# Altium PCB novena_evt1_a.PcbDoc (part 4 of 12)
Units mm, origin at the board's own origin, x right, y up, seen from the top; angles counter-clockwise.
Board outline 121 x 150 mm, 10 copper layers (Top, L2-GND, L3, L4, L5-PWR, L6-PWR, L7, L8, L9-GND, Bot), stack 1.621 mm thick; 951 components, 714 nets, 4891 pads, 2105 vias.
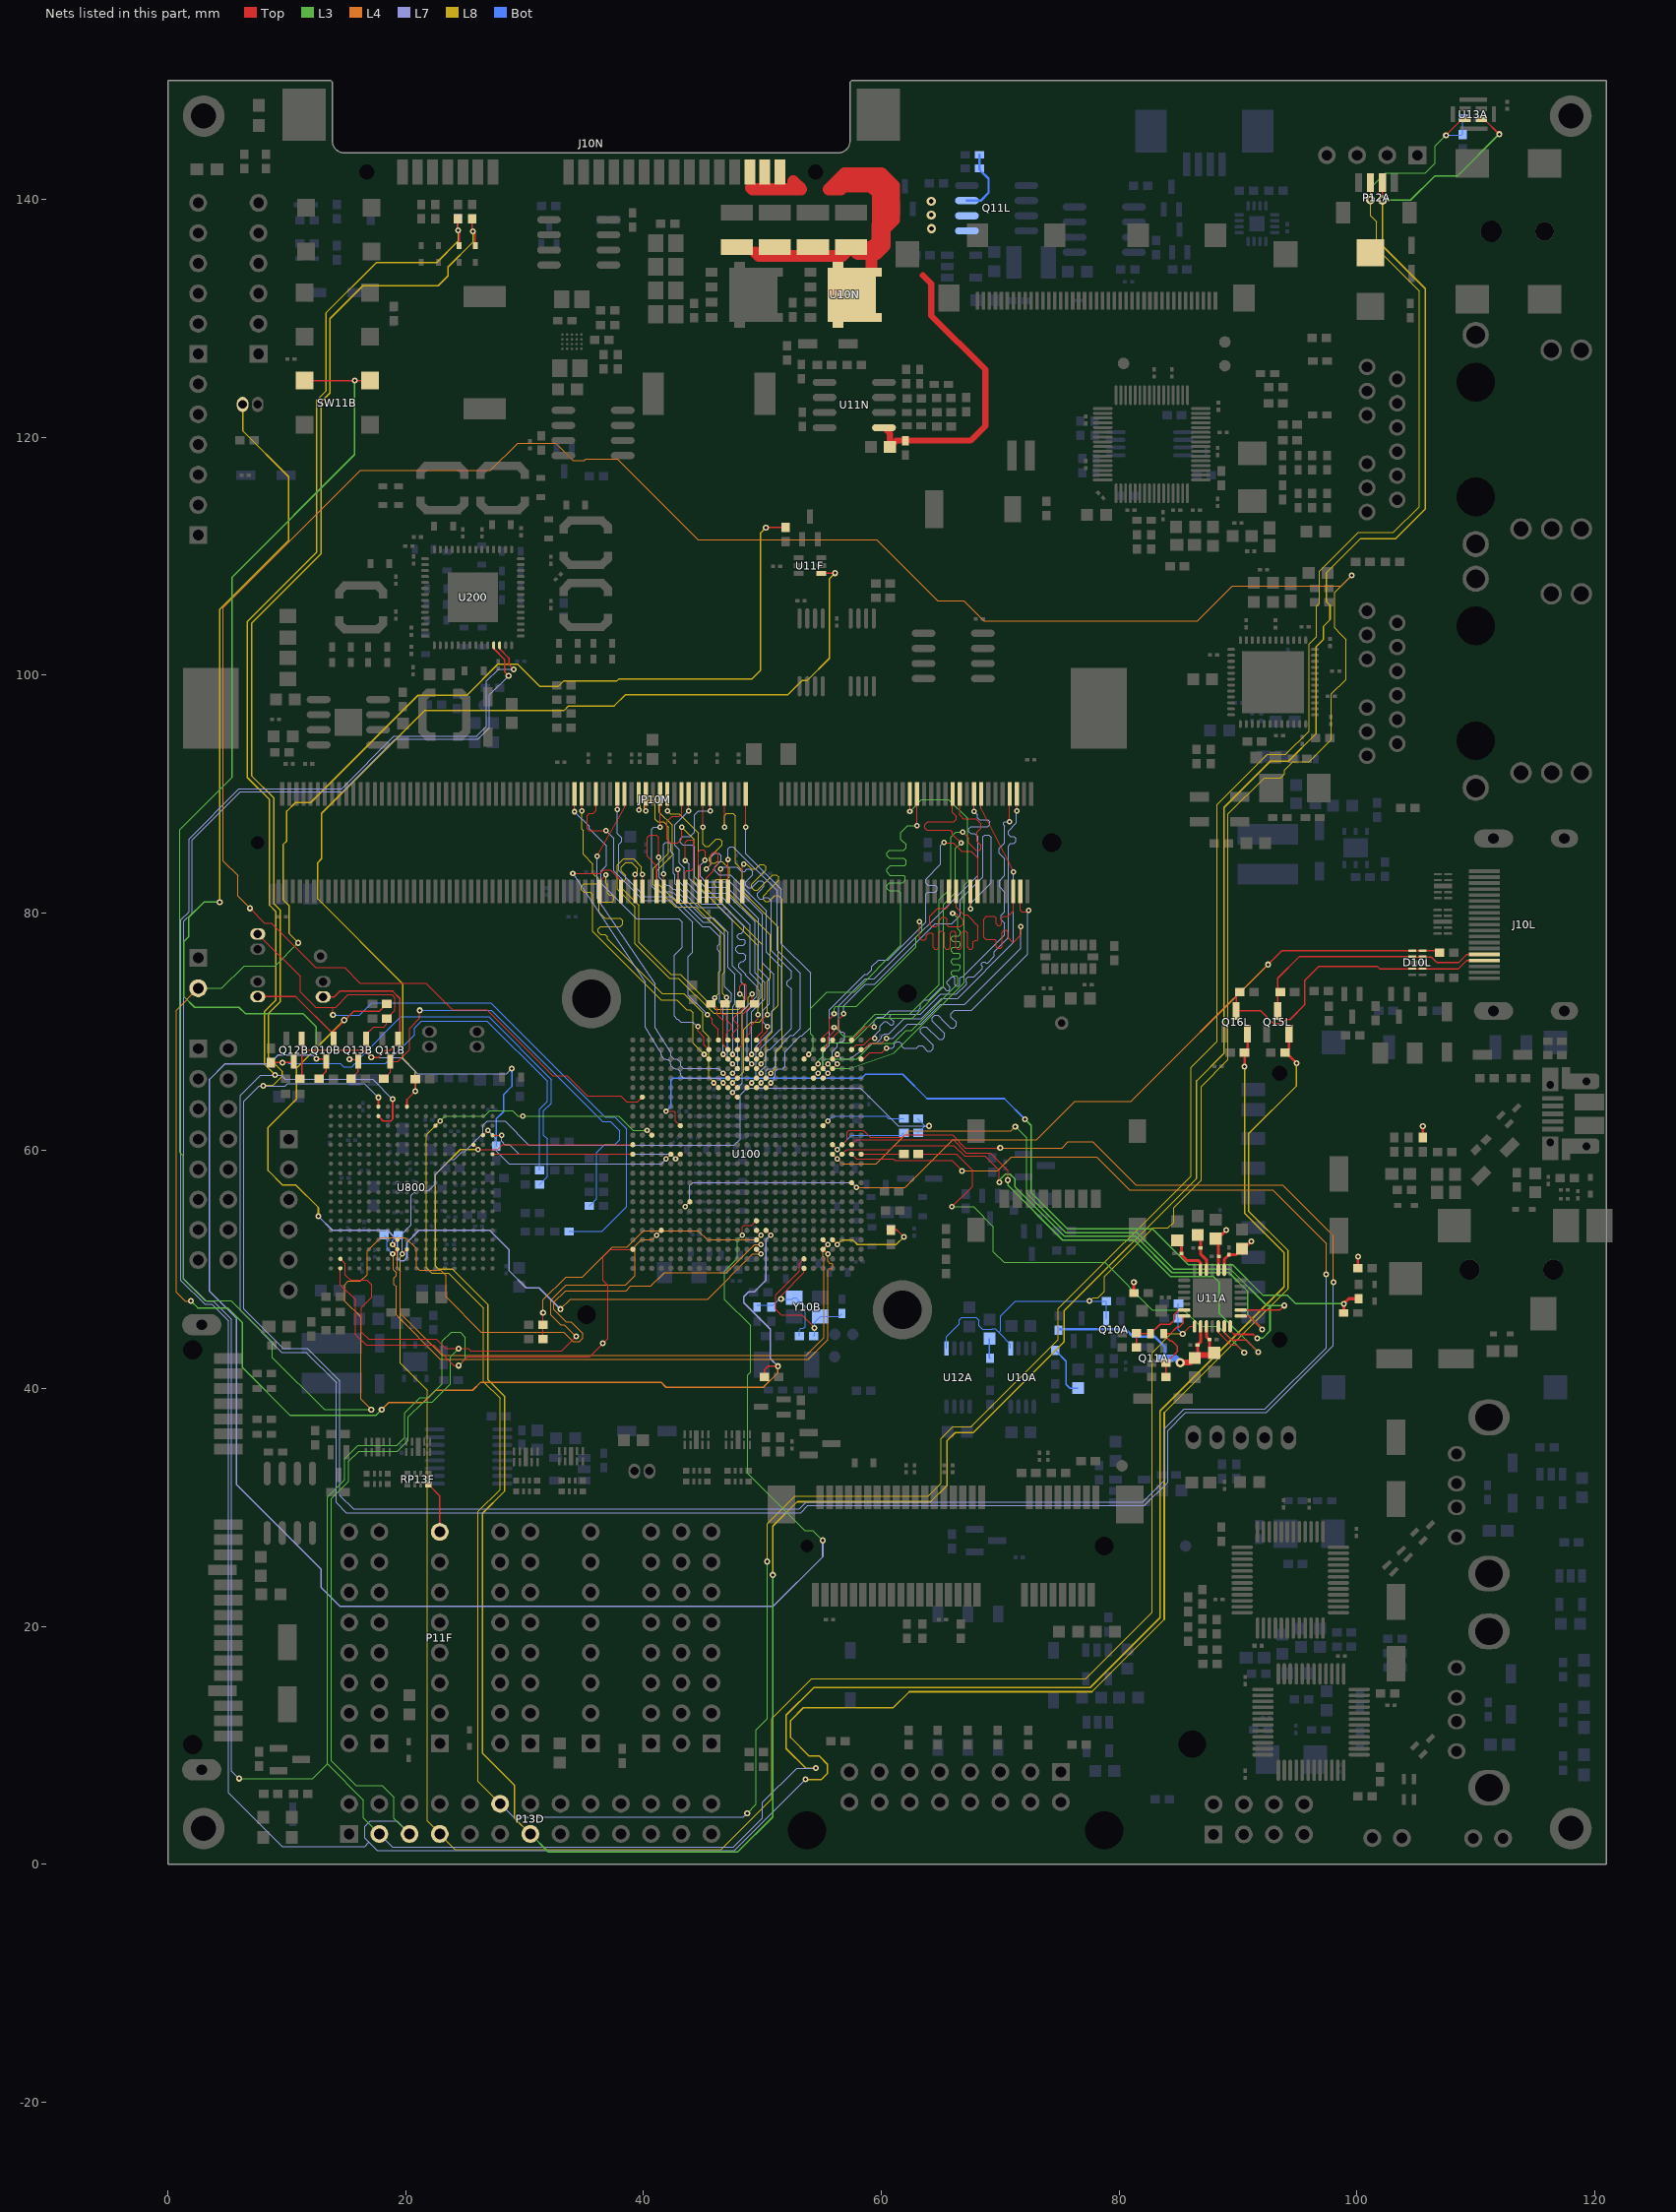
[diagram p12: the nets of this part, all layers, seen from the top]

## Via types
v1: diameter 0.508, hole 0.254, Top to Bot, tented both sides, 940 vias
v2: diameter 0.457, hole 0.203, Top to Bot, tented both sides, 793 vias
v3: diameter 0.762, hole 0.381, Top to Bot, tented both sides, 325 vias
v4: diameter 0.66, hole 0.33, Top to Bot, tented both sides, 23 vias
v5: diameter 0.66, hole 0.33, Top to Bot, tented top, 16 vias
v6: diameter 0.5, hole 0.254, Top to Bot, tented both sides, 8 vias

## Nets (pads, with @x,y where several pads share a name; then routed paths per layer and width w, separated by ;. In a path a pad name is that pad's centre, name@x,y a point inside that pad or via, vN(x,y) a via of type N, cw(c..) or ccw(c..) an arc to the next point about the centre after c; other vN are vias at no path point) (continued)
ANA_IN_X7: P11F.8 RP13F.4 | length 4.4
  Top w0.127: RP13F.4@21.912,31.925 22.86,30.977 P11F.8@22.86,27.94
APOPTOSIS: R24F.1 U11F.1 U800.K1 | length 86.1
  Top w0.127: U800.K1@20.1,63.7 20.1,64.3 v1(20.8,65) R24F.1@20.8,66 ; U11F.1@54.95,108.55 56.1,108.55 v1@56.125,108.575
  L8 w0.127: v1(20.8,65) 20.8,66.7 19.75,67.75 19.75,74.02 12.6,81.17 12.6,84.23 12.925,84.555 12.925,88.355 21.57,97 33.296,97 33.696,97.4 37.53,97.4 38.455,98.325 52.125,98.325 53.325,99.525 53.75,99.525 55.625,101.4 55.625,108.075 v1(56.113,108.563)
AUD6_TFS: U100.N20 U800.A4 | length 17
  Top w0.102: U800.A4@27.3,61.3 v2@27.9,61.3 ; v2(42.7,59.3) U100.N20@43.1,59.7
  L7 w0.102: v2(28.05,61.3) 28.05,60.775 28.325,60.5 28.725,60.5 29.525,59.7 42.3,59.7 v2(42.7,59.3)
AUD6_TXC: U100.N21 U800.B4 | length 18
  Top w0.102: U800.B4@26.5,61.3 v2(26.9,61.7) ; v2(41.9,59.3) U100.N21@42.3,59.7
  L7 w0.102: v2(26.9,61.7) 27.55,61.05 27.55,60.05 28.7,58.9 41.5,58.9 v2(41.9,59.3)
AUD6_TXD: U100.N25 U800.A6 | length 11.8
  Top w0.102: U800.A6@27.3,59.7 U100.N25@39.1,59.7
AUD_CLK: R10L.2 U11A.5 | length 43.2
  Top w0.096: R10L.2@63.1,59.7 66.325,59.7 67.675,58.35 67.675,57 v2(65.95,55.275) ; U11A.5@88.35,45.225 88.35,44.75 89.425,43.675 89.875,43.675 v1(90.525,43.025)
  L3 w0.096: v2(65.95,55.275) 67.75,55.275 69.425,53.6 69.425,51.5 70.325,50.6 78.8,50.6 82.8,46.6 85.45,46.6 86.825,45.225 88.325,45.225 v1(90.525,43.025)
AUD_CLK_T: R10L.1 U100.N1 | length 3.6
  Top w0.102: U100.N1@58.3,59.7 R10L.1@61.9,59.7
AUD_DIN: U11A.8 U100.N3 | length 47.1
  Top w0.102: U100.N3@56.7,59.7 57.1,60.1 60.725,60.1 61.05,60.425 66.125,60.425 67,59.55 68.725,59.55 69.925,58.35 v1(69.925,57.35)
  Top w0.127: U11A.8@90.225,46.1 90.925,46.1 v1(92.05,44.975)
  L3 w0.127: v1(69.925,57.35) 69.925,57.525 70.425,58.025 70.825,58.025 71.25,57.6 71.25,56.941 75.391,52.8 81.401,52.8 84.451,49.75 89.25,49.75 90.8,48.2 90.8,46.225 v1(92.05,44.975)
AUD_DOUT: U11A.6 U100.P2 | length 48.1
  Top w0.102: U100.P2@57.5,60.5 57.9,60.9 66.05,60.9 67.15,59.8 69.175,59.8 70.65,58.325 v1(70.65,57.525)
  Top w0.127: U11A.6@88.85,45.225 88.85,44.7 89.475,44.075 90.675,44.075 v1(91.7,43.05)
  L3 w0.127: v1(70.65,57.525) 70.65,57.081 75.256,52.475 81.266,52.475 84.316,49.425 87.925,49.425 88.055,49.295 88.4,48.95 88.4,46.35 v1(91.7,43.05)
AUD_HP_IN: C34A.2 R16A.2 U100.T20 | length 75.2
  Top w0.102: v2(41.9,63.3) 42.575,63.3 42.7,63.175 42.7,62.5 U100.T20@43.1,62.1
  Top w0.254: C34A.2@98.9,46.35 v1(98.9,47.125) 99.325,47.55 R16A.2@100.15,47.55
  L3 w0.127: v1(72.1,62.625) 72.6,62.125 72.6,56.475 75.65,53.425 82.8,53.425 85.825,50.4 89.55,50.4 92.125,47.825 94.175,47.825 94.875,47.125 v1(98.9,47.125)
  Bot w0.127: v2(41.9,63.3) 42.294,63.694 42.294,64.344 42.306,64.356 42.306,65.931 42.475,66.1 58.35,66.1 58.675,66.425 61.8,66.425 63.85,64.375 70.35,64.375 v1(72.1,62.625)
AUD_I2C3_SCL: C41A.2 R10B.1 R26A.1 U11A.28 | length 7.3
  Top w0.127: R10B.1@83.95,40.95 R26A.1@83.95,42.15 84.9,43.1 84.9,43.55 84.45,44 84.275,44 83.75,44.525 C41A.2@83.75,44.6 84.3,44.6 84.85,45.15 85.05,45.15 85.375,45.475 85.375,46 U11A.28@85.475,46.1
AUD_I2C3_SDA: C40A.2 R11B.1 R27A.1 U11A.27 | length 6.3
  Top w0.127: R11B.1@81.45,43.45 R27A.1@81.45,44.65 81.5,44.6 C40A.2@82.65,44.6 83.45,45.4 84.275,45.4 84.7,45.825 84.7,46.275 85.025,46.6 U11A.27@85.475,46.6
AUD_LRCLK: U11A.7 U11A.9 U100.N4 | length 58.8
  Top w0.102: U100.N4@55.9,59.7 v2(56.3,59.3)
  Top w0.127: U11A.7@89.35,45.225 89.35,44.875 89.675,44.55 91.3,44.55 v1(91.625,44.225) ; U11A.9@90.225,46.6 93.525,46.6 v1(93.9,46.975)
  L3 w0.102: v1(71.275,62.025) 72.225,61.075 72.225,56.39 72.97,55.645
  L3 w0.127: 72.97,55.645 75.515,53.1 81.525,53.1 84.575,50.05 89.35,50.05 92.425,46.975 92.7,46.975 ; v1(91.625,44.225) 92.075,44.225 92.7,44.85 92.7,46.975 ; v1(93.9,46.975) 92.7,46.975
  L4 w0.102: v2(56.3,59.3) 56.7,58.9 59.575,58.9 62.325,61.65 70.9,61.65 v1(71.275,62.025)
AUD_MCLK: P13D.7 R16S.1 R26L.2 R29A.1 R32A.2 U11A.1 U800.K16 | length 212.3
  Top w0.096: v2@19.725,51.325 U800.K16@20.1,51.7 ; v1(85.35,44.6) 85.975,45.225 U11A.1@86.35,45.225
  L7 w0.096: v2(19.7,51.3) 19.7,53.025 20.45,53.775 20.45,56.225 20.9,56.675 21.95,56.675 22.478,57.203 22.478,57.857 22.475,57.859 22.475,58 23.75,59.275 24.1,59.275 24.75,59.925 24.975,59.925 26.5,61.45 26.5,62.125 26.85,62.475 27.865,62.475 27.868,62.478 28.353,62.478 30.353,60.478 47.597,60.478 47.625,60.45 48.15,60.975 48.15,64.7 48.728,65.278 58.222,65.278 61.425,62.075 v1(64.025,62.075)
  L8 w0.096: v2@19.725,51.325 19.725,51.247 19.53,51.052 19.53,42.145 21.828,39.847 21.828,3.622 22.256,3.194 P13D.7@22.675,2.775 ; P13D.7@23.175,2.2 24.15,1.225 46.525,1.225 50.8,5.5 50.8,12.25 54.15,15.6 77.2,15.6 82.775,21.175 82.775,43 84.375,44.6 v1(85.35,44.6)
  Bot w0.096: R26L.2@63.1,61.5 63.675,62.075 ; R16S.1@63.1,62.7 63.1,62.65 63.675,62.075 ; v1(64.025,62.075) 63.675,62.075 ; R29A.1@85,47.15 85,44.95 v1(85.35,44.6)
AUD_MCLK_T: R16S.2 U100.T5 | length 7.2
  Top w0.096: U100.T5@55.1,62.1 v2(55.5,62.5)
  Bot w0.096: v2(55.5,62.5) 55.922,62.922 56.457,62.922 56.46,62.925 56.941,62.925 56.943,62.922 60.378,62.922 60.6,62.7 R16S.2@61.9,62.7
AUD_MCLK_T_SDL: R26L.1 U100.P4 | length 6.7
  Top w0.096: U100.P4@55.9,60.5 v2(56.3,60.1)
  Bot w0.096: v2(56.3,60.1) 57.5,61.3 61.7,61.3 R26L.1@61.9,61.5
AUD_MIC_CLK: P12A.3 P13D.12 R31A.1 R34A.2 U13A.3 U100.R23 U800.G3 | length 290.7
  Top w0.096: U800.G3@22.5,62.1 v2(22.9,62.5) ; v2(40.3,61.7) U100.R23@40.7,61.3 ; v3(101.15,139.95) P12A.3@101.15,141.4 ; v1(107.5,145.375) U13A.3@108.825,146.7
  L3 w0.096: v2(22.9,62.5) 23.3,62.9 26.625,62.9 27.075,63.35 28.975,63.35 29.425,62.9 v2(29.85,62.9) 37.903,62.9 39.103,61.7 v2(40.3,61.7) ; v1(48.725,4.275) 49.475,5.025 49.475,11.3 50.4,12.225 v1(50.4,25.45) ; v3(101.15,139.95) 101.15,140.95 102.425,142.225 105.775,142.225 106.6,143.05 106.6,144.475 v1(107.5,145.375)
  L7 w0.096: P13D.12@27.94,5.08 29.07,3.95 48.4,3.95 v1(48.725,4.275)
  L8 w0.096: v2(22.9,62.5) 21.722,61.322 21.722,50.175 22.185,49.712 23.588,49.712 26.55,46.75 26.55,40.57 27.925,39.195 27.925,31.505 26.075,29.655 26.075,6.945 P13D.12@27.94,5.08 ; v1(50.4,25.45) 50.4,28.622 52.728,30.95 63.953,30.95 65.05,32.047 65.05,35.797 66.028,36.775 67.553,36.775 74.9,44.122 74.9,46.725 86.05,57.875 86.05,66.988 88.25,69.188 88.25,89.088 92.487,93.325 94.012,93.325 95.975,95.288 95.975,102.588 96.6,103.213 96.6,105.775 96.85,106.025 96.85,108.707 100.118,111.975 103.068,111.975 105.25,114.157 105.25,132.268 101.65,135.868 101.65,138.125 101.15,138.625 v3(101.15,139.95)
  Bot w0.096: v1(107.5,145.375) R34A.2@108.825,145.375 ; R34A.2@108.9,145.45 R31A.1@108.9,146.775
AUD_MIC_DAT: P12A.2 P13D.13 U13A.4 U100.P25 U800.C5 | length 287.6
  Top w0.102: U800.C5@25.7,60.5 v2(26.1,60.1) 27.75,60.1 28.15,60.5 U100.P25@39.1,60.5
  Top w0.127: v3(102.15,139.925) P12A.2@102.15,141.4 ; U13A.4@110.475,146.7 110.75,146.7 v1(111.975,145.475)
  L3 w0.127: P13D.13@30.48,2.54 31.995,1.025 47.925,1.025 50.875,3.975 v1(50.875,24.325) ; v3(102.15,139.925) 104.525,139.925 106.55,141.95 108.45,141.95 v1(111.975,145.475)
  L8 w0.127: v2(26.1,60.1) 24.6,60.1 22.5,58 22.5,50.275 22.725,50.05 23.9,50.05 26.925,47.025 26.925,40.725 28.3,39.35 28.3,31.35 26.45,29.5 26.45,9.325 29.15,6.625 29.15,3.87 P13D.13@30.48,2.54 ; v1(50.875,24.325) 50.875,28.425 52.925,30.475 64.15,30.475 65.525,31.85 65.525,35.6 66.225,36.3 67.75,36.3 75.375,43.925 75.375,46.528 86.525,57.678 86.525,65.875 88.825,68.175 88.825,88.85 92.725,92.75 94.25,92.75 96.55,95.05 96.55,102.35 97.175,102.975 97.175,104.075 97.75,104.65 97.75,105.85 97.425,106.175 97.425,108.575 100.325,111.475 103.275,111.475 105.75,113.95 105.75,132.475 102.15,136.075 v3(102.15,139.925)
AUD_P3.3V: C14A.2 C15A.2 C20A.2 C21A.2 C22A.2 C23A.1 C24A.2 C25A.2 Q11A.3 R11A.2 R15A.2 R21A.1 R25A.2 U11A.2 U11A.3 U11A.16 U11A.17 | length 30.7
  Top w0.203: R15A.2@100.1,50.1 v1(100.1,51.075) ; R25A.2@105.55,61.1 v1(105.55,62.05)
  Top w0.254: R11A.2@81.25,48.025 v1(81.25,48.95) ; C23A.1@86.6,42.8 C14A.2@86.6,43.65 86.85,43.9 U11A.2@86.85,45.225 ; U11A.3@87.35,45.225 87.35,44.35 C22A.2@87.6,44.1 87.6,43.4 C15A.2@88,43 ; C21A.2@88.125,52.475 88.35,52.25 U11A.17@88.35,49.975 ; C21A.2@88.125,52.6 88.3,52.6 v1(89.025,53.325) ; U11A.16@88.85,49.975 88.85,50.85 C20A.2@89.25,51.25 89.85,51.25 C25A.2@90.35,51.75 90.5,51.75 v1(91.125,52.375)
  Top w0.508: v3(85.15,42.175) 85.975,42.175 C23A.1@86.35,42.55 86.6,42.8 87.8,42.8 C15A.2@88,43
  Bot w0.203: R21A.1@74.9,44.9 75,45 80.55,45 81.2,44.35 83,44.35 83.85,43.5 Q11A.3@83.85,42.55
  Bot w0.508: Q11A.3@83.85,42.55 84.775,42.55 v3(85.15,42.175)
AUD_PWRON: Q10A.1 R19A.1 U10A.1 U12A.1 U100.W24 | length 269.4
  Top w0.102: v1(6.9,80.375) 8.133,79.142 8.683,79.142 12.425,75.4 14.85,75.4 16.15,74.1 21.7,74.1 23.95,71.85 26.816,71.85 32.366,66.3 33.591,66.3 35.291,64.6 38.066,64.6 38.566,64.1 39.5,64.1 U100.W24@39.9,64.5
  L4 w0.102: v1(6.9,80.375) 5.875,81.4 5.875,83.125 4.65,84.35 4.65,105.675 16.175,117.2 27.125,117.2 29.425,119.5 32.625,119.5 34.086,118.039 35.013,118.039 35.15,118.175 37.8,118.175 44.6,111.375 59.6,111.375 64.725,106.25 66.95,106.25 68.65,104.55 86.575,104.55 89.525,107.5 98.7,107.5 v1(99.575,108.375)
  L8 w0.102: v1(77.5,47.35) 77.8,47.65 78.25,47.65 78.775,48.175 78.775,49.4 82.875,53.5 84.125,53.5 84.6,53.975 84.6,55.2 86.925,57.525 86.925,65.4 89.175,67.65 89.175,88.3 92.225,91.35 93.575,91.35 93.9,91.675 93.9,92 94.625,92.725 96,92.725 97.85,94.575 97.85,98.4 99.075,99.625 99.075,102.975 98.6,103.45 98.6,103.475 98.125,103.95 98.125,106.925 v1(99.575,108.375) v1@99.575,108.4
  Bot w0.102: U12A.1@65.483,43.374 65.483,44.358 66.575,45.45 66.575,45.775 66.775,45.975 67.975,45.975 68.225,45.725 68.225,45.275 68.5,45 69.325,45 69.35,45.025 69.575,45.025 69.9,44.7 ; U10A.1@70.883,43.374 70.883,43.717 69.9,44.7 ; Q10A.1@78.9,45.9 78.95,45.95 R19A.1@78.95,47.35 71.3,47.35 70.05,46.1 70.05,44.85 69.9,44.7
AUD_VMID: C12A.2 C13A.1 U11A.20 | length 3.8
  Top w0.254: C13A.1@84.9,52.45 85.25,52.1 C12A.2@85.25,51.35 85.25,51.225 85.7,50.775 86.65,50.775 86.85,50.575 U11A.20@86.85,49.975
AUD_VREF: C16A.2 C17A.1 U11A.19 | length 3.2
  Top w0.254: C17A.1@86.6,52.9 86.85,52.65 C16A.2@86.85,51.8 86.85,51.325 87.35,50.825 U11A.19@87.35,49.975
BATT_NRST: D16N.1 R22N.2 U100.N2 U800.N1 | length 283.9
  Top w0.102: U100.N2@57.5,59.7 57.9,59.3 61,59.3 61.125,59.175 65.925,59.175 v1(66.8,58.3)
  Top w0.127: U800.N1@17.7,63.7 v1(17.7,64.475) ; R22N.2@25.6,138.35 25.6,137.4 25.85,137.15 D16N.1@25.85,136.1
  L4 w0.102: v1(66.8,58.3) 69.775,58.3 70.95,59.475 78.1,59.475 80.875,56.7 92.925,56.7 97.425,52.2 v1(97.425,49.6)
  L7 w0.102: v1(17.7,64.475) 16.525,65.65 10.05,65.65 9.85,65.45 v1(8.025,65.45) 7.675,65.45 6.375,64.15 6.375,46.672 9.697,43.35 11.721,43.35 14.45,40.621 14.45,31 15.591,29.859 53.096,29.859 53.687,30.45 81.987,30.45 83.791,32.254 83.791,36.571 85.495,38.275 92.27,38.275 97.425,43.43 v1(97.425,49.6)
  L8 w0.127: v1(8.025,65.45) 8.8,65.45 9.625,66.275 9.625,66.65 8.45,67.825 8.45,71.541 9.425,72.516 9.425,80.25 8.9,80.775 8.9,89.659 7.025,91.534 7.025,104.34 12.875,110.19 12.875,122.964 13.625,123.714 13.625,129.95 16.4,132.725 22.725,132.725 23.55,133.55 23.55,134.3 25.65,136.4 v1(25.65,137.3)
BATT_PWR: C11N.1 C12N.1 C14N.1 C15N.1 C16N.1 C17N.1 C19L.1 D10N.2 J10N.1 J10N.2 J10N.3 Q11L.1 Q11L.2 Q11L.3 R16L.2 U10N.5 U10N.6 U10N.7 U10N.8 U10N.9 U11N.1 | length 90.1
  Top w0.203: U10N.5@56.372,129.447 56.372,130.825 U10N.9@57.522,131.975 ; U10N.9@59.175,134.175 59.175,133.628 U10N.9@57.522,131.975 ; U10N.6@59.788,130.07 59.427,130.07 U10N.9@57.522,131.975
  Top w0.508: U11N.1@60.225,120.795 60.725,120.295 C12N.1@60.725,119.175 61.25,119.7 C11N.1@62.025,119.7 67.5,119.7 68.75,120.95 68.75,125.675 64.2,130.225 64.2,132.9 63.5,133.6
  Top w1.016: 49.05,140.975 49.175,140.85 53.25,140.85 52.6,141.5 ; 49.425,135.525 49.725,135.225 56.7,135.225 C17N.1@57.45,135.975 ; U10N.9@59.175,134.175 59.175,135.4 ; 55.875,141.125 55.6,140.85 56.6,140.85 56.85,141.1 ; 55.875,141.125 56.325,141.575 ; 55.875,141.125 55.9,141.1 56.85,141.1 ; 56.325,141.575 56.925,142.175 60.025,142.175 61.05,141.15 61.05,138.25 60.3,137.5 ; 56.325,141.575 59.525,141.575 60.3,140.8 60.3,137.5 ; 56.85,141.1 59.1,141.1 59.725,140.475 59.725,137.85 59.7,137.825 59.7,136.5 59.175,135.975 ; C17N.1@57.45,135.975 58.025,135.4 59.175,135.4 ; C17N.1@57.45,135.975 59.175,135.975 ; 59.175,135.4 59.6,135.4 60.3,136.1 60.3,137.5 ; 59.175,135.4 59.175,135.975
  Bot w0.203: Q11L.3@67.2,139.885 68.36,139.885 69.025,140.55 69.025,141.725 68.25,142.5 C19L.1@68.25,143.75
  other v3: 64.225,137.525 64.2,138.675 64.2,139.825
BATT_REFLASH_ALRT: D15N.1 R21N.1 R23N.2 U100.P3 U800.N2 | length 290.9
  Top w0.102: U100.P3@56.7,60.5 57.123,60.923 57.123,61.523 57.3,61.7 58.475,61.7 59.05,61.125 61.775,61.125 61.975,61.325 65.975,61.325 67.075,60.225 v1(70,60.225)
  Top w0.127: U800.N2@17.7,62.9 18.1,62.5 18.75,62.5 18.9,62.65 v1(18.9,64.325) ; R23N.2@24.4,138.35 24.4,137.425 24.5,137.325 D15N.1@24.5,136.1
  L4 w0.102: v1(70,60.225) 75.2,60.225 75.725,60.75 77.784,60.75 81.434,57.1 93.775,57.1 98.025,52.85 v1(98.025,48.925)
  L7 w0.102: v1(18.9,64.325) 17.225,66 9.875,66 9.525,66.35 7.775,66.35 6.075,64.65 6.075,46.548 9.573,43.05 11.597,43.05 14.15,40.497 14.15,30.4 14.991,29.559 53.22,29.559 53.812,30.15 82.112,30.15 84.091,32.13 84.091,36.447 85.619,37.975 92.394,37.975 98.025,43.606 v1(98.025,48.925)
  L8 w0.127: v1(9,66.375) 8.1,67.275 8.1,71.686 9.075,72.661 9.075,80.105 8.55,80.63 8.55,89.514 6.675,91.389 6.675,104.485 12.525,110.335 12.525,123.109 13.275,123.859 13.275,130.425 17.525,134.675 22.6,134.675 24.413,136.487 v1(24.413,137.388)
  Bot w0.127: R21N.1@24.4,138.35 24.4,137.4 v1@24.425,137.375
BT_CFG1_1: Q11B.3 R37B.2 R41B.2 | length 36.3
  Top w0.102: R41B.2@18.15,66.05 18.7,66.6 Q11B.3@18.7,67.5 19.325,67.5 20.325,68.5 20.325,70.275 21.175,71.125 v1(21.175,71.8)
  Bot w0.102: v1(21.175,71.8) 27.199,71.8 36.549,62.45 37.225,62.45 38,61.675 38,60.9 37.6,60.5 36.7,60.5 36.05,59.85 36.05,55.95 R37B.2@35.45,55.35
BT_CFG1_5: P_SATA.2 Q13B.1 R38B.2 R56B.1 | length 62.8
  Top w0.102: P_SATA.2@7.55,78.22 11.125,74.645 11.125,73.35 12.425,72.05 13.85,72.05 ; v1(13.875,71.4) 13.875,72.025 13.85,72.05 ; Q13B.1@16.65,69.4 16.65,69.75 17.3,70.4 18.175,70.4 18.4,70.625 R56B.1@18.4,71.1 19.1,71.8 19.1,72.85 18.825,73.125 15.175,73.125 14.1,72.05 13.85,72.05
  Bot w0.102: v1(13.875,71.4) 16.125,71.4 17.15,72.425 27.175,72.425 36.775,62.825 37.6,62.825 38.6,61.825 38.6,55.3 36.5,53.2 R38B.2@33.75,53.2
BT_CFG1_6: Q13B.3 R40B.2 R43B.2 | length 32.6
  Top w0.102: v1(15.275,67.675) 15.825,67.675 Q13B.3@16,67.5
  Top w0.127: R43B.2@15.4,66.05 16,66.65 Q13B.3@16,67.5
  Bot w0.102: v1(15.275,67.675) 16.025,67.675 19.603,71.253 26.972,71.253 32.25,65.975 32.25,64 31.6,63.35 31.6,61.3 31.9,61 31.9,57.8 R40B.2@31.25,57.15
BT_CFG2_3: P_EXT.2 Q11B.1 Q12B.1 R42B.2 R45B.1 | length 42.6
  Top w0.127: R45B.1@11.1,66.05 11.25,66.2 11.25,68.45 ; Q12B.1@11.25,69.4 11.25,68.45 ; P_EXT.2@13.05,72.93 13.98,72.93 14.45,73.4 18.9,73.4 19.5,72.8 19.5,69.55 Q11B.1@19.35,69.4 19.35,69.1 18.675,68.425 18.275,68.425 17.7,67.85 v1(17.1,67.85) 16.5,68.45 11.25,68.45
  L7 w0.102: v1(17.1,67.85) 19.625,67.85 21,66.475 28.5,66.475 v1(28.925,66.9)
  Bot w0.127: R42B.2@27.6,60.375 27.6,62.65 28.225,63.275 28.225,64.7 28.925,65.4 v1(28.925,66.9)
BT_CFG2_4: Q12B.3 R39B.2 R44B.2 | length 36.2
  Top w0.127: R39B.2@8.65,67.4 10.5,67.4 Q12B.3@10.6,67.5
  Bot w0.102: v1(9.625,67.4) 10.075,67.4 10.156,67.319 14.5,67.319 14.769,67.05 15.475,67.05 15.744,67.319 18.319,67.319 20.725,69.725 20.725,70.303 21.325,70.903 26.827,70.903 31.9,65.83 31.9,64.145 31.25,63.495 R44B.2@31.25,58.35
CEC: D10L.1 D10L.10 R31L.2 U100.H19 U100.K2 | length 74.7
  Top w0.102: v2(43.5,55.305) 43.505,55.305 U100.H19@43.9,55.7 ; U100.K2@57.5,57.3 v2(57.9,56.9)
  Top w0.127: v1(92.525,75.65) 93.675,76.8 D10L.1@104.663,76.8 D10L.10@105.537,76.8 106.8,76.8 R31L.2@106.95,76.65
  L4 w0.102: v2(57.9,56.9) 62,56.9 66.013,60.913 73.063,60.913 76.3,64.15 81.025,64.15 86.85,69.975
  L4 w0.127: 86.85,69.975 v1(92.525,75.65)
  L7 w0.102: v2(43.5,55.305) 43.9,55.705 43.9,57.05 44.15,57.3 57.5,57.3 v2(57.9,56.9)
CLK2_N: R57B.2 U100.C5 U800.L16 | length 54.8
  Top w0.083: v2(18.9,51.3) U800.L16@19.3,51.7 ; U100.C5@55.1,51.7 v2(55.5,51.3)
  L4 w0.089: v2(18.9,51.3) 18.975,51.225 18.975,49.975 19.22,49.73 19.22,49.475 19.025,49.28 19.025,48.77 19.22,48.575 19.22,46.163 22.913,42.47 53.837,42.47 55.5,44.133 55.5,49.95 55.625,50.075 55.85,50.075 55.925,50.15 55.925,50.425 55.8,50.55 55.625,50.55 55.5,50.675 v2(55.5,51.3)
  Bot w0.083: R57B.2@18.175,52.9 18.475,52.6 18.475,52.371 18.408,52.304 18.408,51.896 18.475,51.829 18.475,51.725 v2(18.9,51.3)
CLK2_P: R57B.1 U100.D5 U800.L15 | length 53.9
  Top w0.083: v2(18.9,52.1) U800.L15@19.3,52.5 ; U100.D5@55.1,52.5 v2(55.5,52.1)
  L4 w0.089: v2(18.9,52.1) 19.305,51.695 19.305,50.112 19.55,49.867 19.55,46.3 23.05,42.8 53.7,42.8 55.17,44.27 55.17,51.03 55.1,51.1 55.1,51.7 v2(55.5,52.1)
  Bot w0.083: v2(18.9,52.1) 18.9,52.425 R57B.1@19.375,52.9
CN_L_SPK_LINE: C26A.2 R12A.2 | length 4.4
  Bot w0.127: R12A.2@74.65,43.2 75.55,42.3 75.55,40.35 75.875,40.025 C26A.2@76.55,40.025
CN_R_SPK_LINE: C28A.2 R14A.2 | length 1.7
  Bot w0.127: C28A.2@69.1,44.2 69.1,42.6 R14A.2@69.15,42.55
CPU_BOOTMODE0: P_USB.1 Q10B.1 R29B.2 U100.C12 | length 82.7
  Top w0.102: U100.C12@49.5,51.7 v2(49.9,51.3)
  Top w0.127: P_USB.1@7.55,72.95 10.75,72.95 13.95,69.75 13.95,70.05 15.625,71.725 17.775,71.725 R29B.2@18.4,72.35
  L4 w0.102: v1(33,46.675) 33.85,47.525 45.4,47.525 49.175,51.3 v2(49.9,51.3)
  L7 w0.127: v1(12.65,54.475) 13.825,53.3 18.475,53.3 19.3,52.475 19.3,50.975 19.55,50.725 19.825,50.725 20.1,51 20.1,52.275 21.119,53.294 27.063,53.294 28.675,51.682 28.675,49.925 30.131,48.469 31.206,48.469 v1(33,46.675)
  L8 w0.127: v1(12.65,54.475) 12.65,55.217 10.767,57.1 9.65,57.1 8.425,58.325 8.425,61.95 10.8,64.325 10.8,66.95 v1(14.825,70.975)
CPU_BOOTMODE1: P_FUSE.2 Q10B.3 R25B.1 U100.F12 | length 208.2
  Top w0.102: v2(48.3,52.9) 48.3,53.6 48.423,53.723 49.102,53.723 49.479,54.1 U100.F12@49.5,54.1
  Top w0.127: v1(12.475,67.725) 13.075,67.725 Q10B.3@13.3,67.5 13.3,66.65 R25B.1@12.7,66.05
  L3 w0.102: v2(48.3,52.9) 47.9,52.5 47.9,50.925 46.825,49.85 46.825,47.475 49,45.3 49,41.4 48.75,41.15 48.75,32.875 53.55,28.075 54.225,28.075 v1(55.075,27.225)
  L3 w0.127: v1(4.35,80.9) 3.025,80.9 1.75,79.625 1.75,78 1.35,77.6 1.35,72.95 2.25,72.05 5.975,72.05 6.5,71.525 11.35,71.525 12.475,70.4 v1(12.475,67.725)
  L7 w0.127: v1(12.475,67.725) 12.15,68.05 9.275,68.05 8.5,67.275 4.775,67.275 3.5,66 3.5,48.175 5.775,45.9 5.775,31.9 12.875,24.8 12.875,23.275 14.475,21.675 50.904,21.675 55.075,25.846 v1(55.075,27.225)
  L8 w0.127: v1(4.35,80.9) 4.35,105.519 10.15,111.319 10.15,116.675 6.28,120.545 P_FUSE.2@6.28,122.75
CPU_ONOFF: SW11B.3 SW11B.4 U100.D12 | length 172.6
  Top w0.102: U100.D12@49.5,52.5 v2(49.9,52.1)
  Top w0.127: SW11B.3@11.5,124.75 v1(15.7,124.75) SW11B.4@17,124.75
  L3 w0.102: 5.4,91.375 1,86.975 1,59.85 1.3,59.55 1.3,49.225 3.125,47.4 5.325,47.4 8.8,43.925 8.8,42.6 13.175,38.225 v1(17.1,38.225)
  L3 w0.127: 5.4,91.375 5.4,108.225 15.7,118.525 v1(15.7,124.75)
  L4 w0.102: v1(17.1,38.225) 16.225,39.1 16.225,46 14.875,47.35 14.875,48.725 15.175,49.025 16.2,49.025 16.75,49.575 16.75,51.55 17.9,52.7 19.975,52.7 20.9,51.775 20.9,50.2 21.15,49.95 22.95,49.95 23.396,49.504 23.396,47.7 26.346,44.75 33.275,44.75 34.056,43.969 34.619,43.969 34.9,44.25 34.9,44.6 33.9,45.6 33.5,45.6 32.475,46.625 32.475,47.25 33.45,48.225 38.525,48.225 38.925,48.625 40.625,48.625 41.75,49.75 46.975,49.75 49.325,52.1 v2(49.9,52.1)
CPU_TAMPER: P_TAMPER.2 R26F.2 R28B.2 U100.E11 | length 183.5
  Top w0.102: U100.E11@50.3,53.3 v2(50.7,52.9)